# Allegro board pc053c_toplevel_34_movecvcc.brd
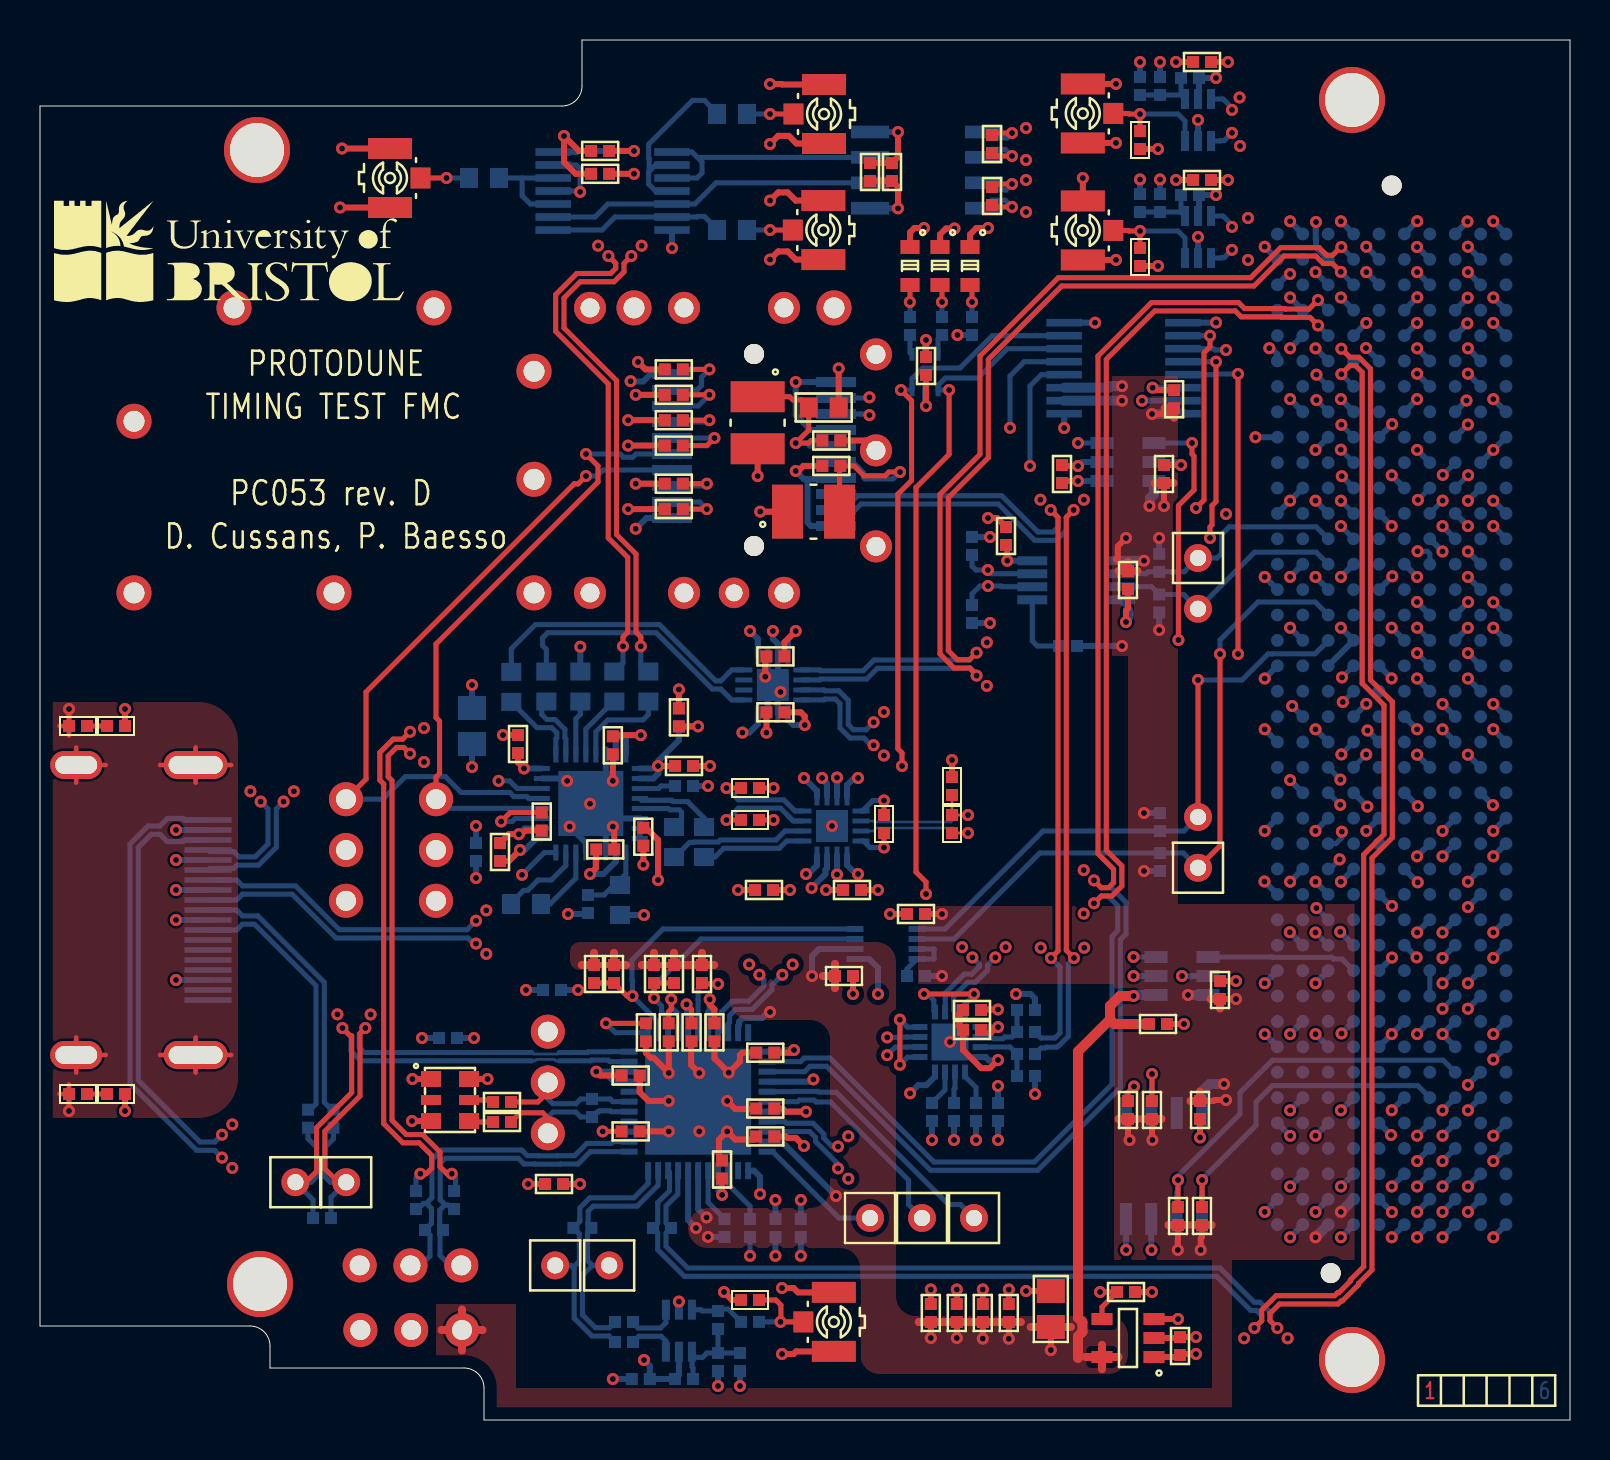
[diagram p0: board, top side]
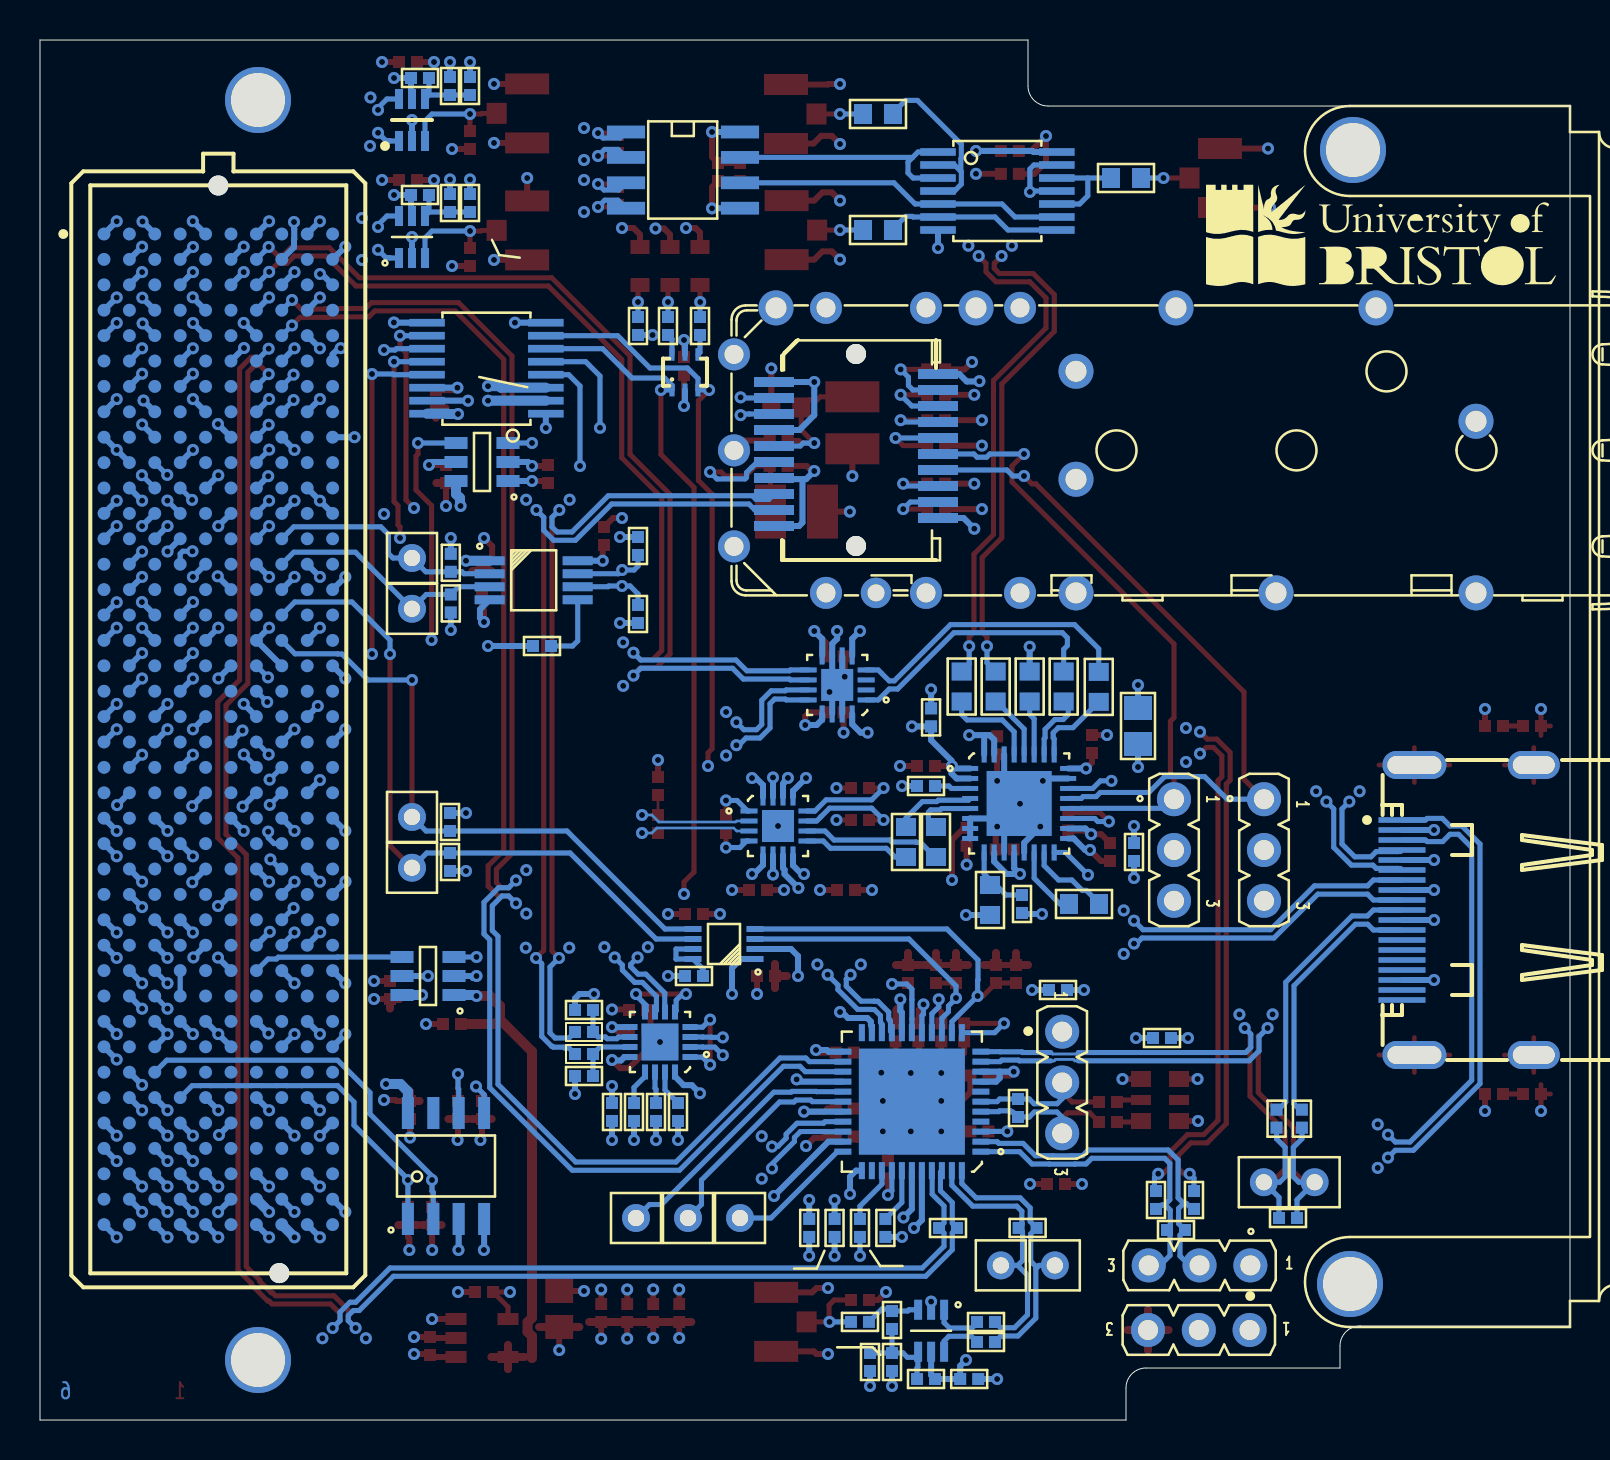
[diagram p1: board, bottom side, seen from below]

Outline 76.5 x 69 mm; copper layers: TOP, L2_GND, L3_SIGN, L4_SIGN, L5_PWR, BOTTOM. Coordinates in mm from the lower left corner of the outline.
Outline path: 0,65.7 0,4.7 10.5,4.7 arc(11.21,4.41) 11.5,3.7 11.5,2.6 21.2,2.6 arc(21.91,2.31) 22.2,1.6 22.2,0 76.5,0 76.5,69 27.1,69 27.1,66.7 arc(26.81,65.99) 26.1,65.7 0,65.7

## Design rules (mm)
constraint set DEFAULT: min track width 0.127, pair gap 0.152
net group CLK_IN0: nets CLK_IN0_N CLK_IN0_P
net group CLK_IN1: nets CLK_IN1_N CLK_IN1_P
net group CLK_IN2: nets CLK_IN2_N CLK_IN2_P
net group DP1: nets UNNAMED_11_RSMD0402_I312_A UNNAMED_11_RSMD0402_I313_A
net group DP_OSC: nets UNNAMED_4_CAPCERSMDCL2_I119_A UNNAMED_4_CAPCERSMDCL2_I120_A
net group F_CDR_CLK: nets F_CDR_CLK_N F_CDR_CLK_P
net group F_CDR_D: nets F_CDR_D_N F_CDR_D_P
net group F_FMC_CLK: nets F_FMC_CLK_N F_FMC_CLK_P
net group F_GPIO_OUT0: nets F_GPIO_OUT0_N F_GPIO_OUT0_P
net group F_GPIO_OUT1: nets F_GPIO_OUT1_N F_GPIO_OUT1_P
net group FFD_CLK: nets T_FFD_CLK_N T_FFD_CLK_P
net group FFD_DI: nets T_FFD_D_N T_FFD_D_P
net group FMC_CLK: nets T_FMC_CLK_N T_FMC_CLK_P
net group FMC_REC_CLK: nets T_FMC_REC_CLK_N T_FMC_REC_CLK_P
net group GPIO_IN0: nets GPIO_IN0_N GPIO_IN0_P
net group GPIO_IN1: nets GPIO_IN1_N GPIO_IN1_P
net group IN: nets IN_N IN_P
net group OSC_CLK: nets OSC_CLK_N OSC_CLK_P
net group PAR_CLKI: nets F_RJ45_CLK_N F_RJ45_CLK_P
net group PAR_CLKO: nets T_RJ45_CLK_N T_RJ45_CLK_P
net group PAR_DI: nets T_RJ45_D_N T_RJ45_D_P
net group PAR_DO: nets F_RJ45_D_N F_RJ45_D_P
net group REC_CLK: nets REC_CLK_N REC_CLK_P
net group SERPAR_CLKI: nets F_MCX_CLK_N F_MCX_CLK_P
net group SFP_DI: nets F_SFP_N F_SFP_P
net group SFP_DO: nets T_SFP_N T_SFP_P
net group SY5860_IN: nets SY5860_IN_N SY5860_IN_P
net group T_CDR: nets T_CDR_N T_CDR_P
net group T_FMC: nets T_FMC_N T_FMC_P
nets with their own width: min track width 0.3; nets CTRLVCC CVCC GND P1V8 P3V3 P12V

## Placement (name value [footprint] x y rotation side)
C1  100nF  [C0402]  49.3 19.4 0 bottom
C2  100nF  [C0402]  49.3 18.3 0 bottom
C3  100nF  [C0402]  20.4 19.1 180 bottom
C4  100nF  [C0402]  21.8 28.4 270 bottom
C5  100nF  [C0402]  47.9 15.4 270 bottom
C6  100nF  [C0402]  25.6 21.5 0 bottom
C7  100nF  [C0402]  46.6 20.5 0 top
C8  100nF  [C0402]  46.6 19.5 0 top
C9  100nF  [C0402]  57 3.7 270 top
C10  100nF  [C0402]  36.77 9.6 90 bottom
C11  100nF  [C0402]  54.3 6.4 180 top
C12  2.2uF  [C0805]  50.54 5.55 270 top
C13  100nF  [C0402]  48.44 5.35 270 top
C14  100nF  [C0402]  47.14 5.35 270 top
C15  100nF  [C0402]  44.3 52.7 90 top
C16  100nF  [C0402]  54.4 42 90 top
C17  100nF  [C0402]  43.8 25.3 0 top
C18  100nF  [C0402]  58 15.5 90 top
C19  100nF  [C0402]  45.84 5.35 270 top
C20  100nF  [C0402]  44.54 5.35 270 top
C21  100nF  [C0402]  23.1 14.9 0 top
C22  100nF  [C0402]  13.4 15.06 270 bottom
C23  100nF  [C0402]  29.2 4.9 180 bottom
C24  100nF  [C0402]  20.7 11 270 bottom
C25  100nF  [C0402]  23.1 15.9 0 top
C26  100nF  [C0402]  29.2 3.9 180 bottom
C27  100nF  [C0402]  18.8 11 270 bottom
C28  100nF  [C0402]  14.67 15.06 270 bottom
C29  100nF  [C0402]  30.17 29.16 270 top
C30  1.0nF  [C0402]  23 28.4 90 top
C31  100nF  [C0402]  29.53 17.22 180 top
C32  100nF  [C0402]  36.26 15.57 0 top
C33  100nF  [C0402]  28.64 33.73 90 top
C34  1.0nF  [C0402]  31.94 35.13 270 top
C35  10uF  [C0805]  21.6 34.7 270 bottom
C36  100nF  [C0402]  28.26 28.53 180 top
C37  1.0nF  [C0402]  23.9 33.8 270 top
C38  100nF  [C0402]  32.2 31.7 180 bottom
C39  470nF  [C0603]  24.3 25.8 0 bottom
C40  100nF  [C0402]  32.2 32.7 180 top
C41  1.0nF  [C0402]  31.94 35.13 270 bottom
C42  100nF  [C0402]  27.4 25.8 90 bottom
C43  1.5uF  [C0603]  31.7 28.9 90 bottom
C44  1.5uF  [C0603]  33.2 28.9 90 bottom
C45  100nF  [C0402]  36.26 14.18 0 top
C46  100nF  [C0402]  36.26 18.37 0 top
C47  100nF  [C0402]  38.04 9.6 90 bottom
C48  100nF  [C0402]  25.7 11.8 0 top
C49  100nF  [C0402]  33.72 19.38 90 top
C50  100nF  [C0402]  35.5 4.91 180 bottom
C51  100nF  [C0402]  33.9 2.9 90 bottom
C52  100nF  [C0402]  56 66.7 270 bottom
C53  100nF  [C0402]  56 60.85 270 bottom
C54  100nF  [C0402]  30.04 2.05 180 bottom
C55  100nF  [C0402]  58.1 67.9 180 top
C56  100nF  [C0402]  58.1 62 180 top
C57  100nF  [C0402]  42.6 62.4 90 top
C58  100nF  [C0402]  41.5 62.4 90 top
C59  100nF  [C0402]  28.01 63.45 0 top
C60  100nF  [C0402]  28.01 62.31 0 top
C61  100nF  [C0402]  56.7 51.04 270 top
C62  100nF  [C0402]  39.56 47.7 0 top
C63  100nF  [C0402]  39.56 48.97 180 top
C64  10uF  [C0603]  39.18 50.62 180 top
C65  100nF  [C0402]  55.9 19.8 180 top
C66  100nF  [C0402]  51.1 47.3 270 top
C67  100nF  [C0402]  59 21.5 270 top
C68  100nF  [C0402]  56.2 47.3 270 top
C69  100nF  [C0402]  36.2 26.5 0 top
C70  100nF  [C0402]  40.6 26.5 0 top
C71  100nF  [C0402]  36.77 38.18 0 top
C72  100nF  [C0402]  36.77 35.38 0 top
C73  XX  [C0402]  45.6 31.7 90 top
C74  100nF  [C0402]  1.9 16.3 0 top
C75  100nF  [C0402]  1.9 34.7 0 top
C107  100nF  [C0402]  48.3 44.2 270 top
C117  100nF  [C0402]  40.2 22.2 180 top
IC1  -  [SOP50P310X90-8N]  42.3 23.8 0 bottom
IC2  -  [SOIC127P600X175-8N]  56.2 12.7 90 bottom
IC3  -  [QFN50P300X300X100-17N-S185]  45.5 18.9 0 bottom
IC4  -  [QFN50P700X700X90-45N-S530]  32.91 15.92 0 bottom
IC5  -  [SOP65P210X110-6N]  31.94 4.46 270 bottom
IC6  -  [SOP65P210X110-6N]  57.9 65 90 bottom
IC7  -  [SOP65P210X110-6N]  57.9 59.15 90 bottom
IC8  -  [SOIC8S_127]  47.2 64.4 270 bottom
IC9  -  [TSSOP14MA_065]  31.6 63.4 270 bottom
IC10  -  [TSSOP16MA_065]  51.21 50.31 90 bottom
IC12  -  [QFN50P500X500X100-33N-S325]  27.54 30.83 180 bottom
IC13  -  [QFN50P300X300X90-17N-S160]  39.6 29.7 180 bottom
IC14  -  [SOT95P280X145-6N]  54.4 47.9 0 bottom
IC15  -  [SOP65P490X110-8N]  51.81 41.99 180 bottom
IC16  -  [SOT95P280X145-6N]  57.1 22.2 0 bottom
IC17  -  [QFN50P300X300X90-17N-S160]  36.64 36.75 0 bottom
IC18  -  [SC70_6L]  44.9 51.5 180 bottom
J2  -  [SAMTEC_MTLW-103-07-L-S-250]  25.39 16.88 270 bottom
J3  -  [SAMTEC_MTLW-103-07-L-S-250]  18.52 7.73 0 bottom
J4  -  [TYCO_1888247-1]  35.7 48.5 0 bottom
J5  -  [SAMTEC_MTLW-103-07-L-S-250]  19.8 28.5 270 bottom
J6  -  [SAMTEC_MTLW-103-07-L-S-250]  15.3 28.5 270 bottom
J7  -  [SAMTEC_HDMI-19-01-X-SM]  8.4 25.5 90 bottom
J8  -  [SAMTEC_MTLW-103-07-L-S-250]  18.56 4.5 0 bottom
L1  4.7uH  [INDC3225X220N]  35.88 49.86 270 top
L2  4.7uH  [INDC3225X220N]  38.68 45.42 0 top
LD1  Green  [LEDC1708X65N]  45 57.7 270 top
LD2  Green  [LEDC1708X65N]  43.5 57.7 270 top
LD3  Green  [LEDC1708X65N]  46.5 57.7 270 top
NOREF  -  []  133.3 -3.6 0 top
NOREF#2  -  []  -19.38 84 0 top
NOREF#3  -  []  -18.77 249.4 0 top
NOREF#4  -  []  11 63.45 90 top
NOREF#5  -  []  11.5 -2.5 0 top
NOREF#6  -  []  -17.4 -17.4 0 top
NOREF#7  -  []  0 4.7 90 top
NOREF#8  -  []  0 4.65 0 top
NOREF#9  -  []  -19.38 153 0 top
NOREF#10  -  []  -38.5 -28.4 0 top
NOREF#11  -  []  193.22 -17.27 0 top
NOREF#12  -  []  -17.4 -17.4 0 top
NOREF#13  -  []  76 185.5 0 top
NOREF#14  -  []  180.4 -21.05 0 top
NOREF#15  -  []  -14.3 168 0 top
NOREF#16  -  []  0 -3 0 top
NOREF#17  -  []  76.5 -16 0 top
NOREF#18  -  []  0 -16 0 top
NOREF#19  -  []  65.6 3 0 top
NOREF#20  -  []  26.9 66.1 0 top
NOREF#21  -  []  96.5 -16 0 top
NOREF#22  -  []  12.65 64.3 0 top
NOREF#23  -  []  79.4 51.5 0 top
NOREF#24  -  []  -14.3 237 0 top
NOREF#25  -  []  -17.4 -17.4 0 top
NOREF#26  -  []  79.5 0 90 top
NOREF#27  -  []  36.8 -3.6 0 top
NOREF#28  -  []  0 64.3 0 top
NOREF#29  -  []  -18.77 254.4 0 top
NOREF#30  -  []  -14.3 69 0 top
NOREF#31  -  [unnamed#2]  10.85 63.5 0 top
NOREF#32  -  []  -14.4 -12.4 0 top
NOREF#33  -  []  0.7 55.9 0 top
NOREF#34  -  []  -17.4 170.4 0 top
NOREF#35  -  []  173 -16 0 top
NOREF#36  -  []  14.55 96.4 0 top
NOREF#37  -  []  27.1 69 0 top
NOREF#38  -  []  -7.4 -16.15 0 top
NOREF#39  -  []  2.6 -16.15 0 top
NOREF#40  -  [unnamed#2]  65.6 3 0 top
NOREF#41  -  []  22.2 0 90 top
NOREF#42  -  [unnamed#2]  65.6 66 0 top
NOREF#43  -  []  76 135.5 0 top
NOREF#44  -  []  76 219.5 0 top
NOREF#45  -  []  0 65.7 0 top
NOREF#46  -  []  11.5 2.6 90 top
NOREF#47  -  []  266.9 -16.15 0 top
NOREF#48  -  []  11.5 2.6 0 top
NOREF#49  -  []  -14.4 165.4 0 top
NOREF#50  -  []  76 101.5 0 top
NOREF#51  -  []  -14.3 0 0 top
NOREF#52  -  []  22.2 -3 0 top
NOREF#53  -  []  11.21 4.4 0 top
NOREF#54  -  []  -2.4 48 0 top
NOREF#55  -  [unnamed#2]  11 6.8 0 top
NOREF#56  -  []  109.15 64.3 0 top
NOREF#57  -  []  76.5 0 90 top
NOREF#58  -  []  76 17.5 0 top
NOREF#59  -  []  0 0 0 top
NOREF#60  -  []  22 2.2 0 top
NOREF#61  -  []  0 65.7 0 top
NOREF#62  -  []  18.2 56.7 180 bottom
P1  -  [SAMTEC_SEAM-40-035-S-10-2-A]  67.58 34.53 90 bottom
PX1  -  [HIROSE_U-FL-R-SMT-1_10]  39.69 4.91 90 top
PX2  -  [HIROSE_U-FL-R-SMT-1_10]  52.14 65.33 270 top
PX3  -  [HIROSE_U-FL-R-SMT-1_10]  52.14 59.48 270 top
PX4  -  [HIROSE_U-FL-R-SMT-1_10]  17.5 62.1 270 top
PX5  -  [HIROSE_U-FL-R-SMT-1_10]  39.17 59.5 90 top
PX6  -  [HIROSE_U-FL-R-SMT-1_10]  39.2 65.3 90 top
QZ1  40.00MHz  [OSCSC105P250X320X180-6N]  20.5 16 0 top
R1  200k  [C0402]  43.8 22.2 0 bottom
R2  2k  [C0402]  44.6 15.4 90 bottom
R3  2k  [C0402]  46.8 15.4 270 bottom
R4  2k  [C0402]  45.7 15.4 270 bottom
R5  150  [C0402]  49.3 20.5 180 bottom
R6  150  [C0402]  49.3 17.2 180 bottom
R7  100  [C0402]  27.6 15.6 90 bottom
R8  100  [C0402]  14.1 10.1 0 bottom
R9  100  [C0402]  27.12 9.6 180 bottom
R10  1k  [C0402]  30.29 19.38 270 top
R11  100  [C0402]  19.7 9.5 0 bottom
R12  00  [C0603]  27.02 36.67 90 bottom
R13  4.7k  [C0402]  34.23 9.6 270 bottom
R14  4.7k  [C0402]  31.7 22.3 90 top
R15  4.7k  [C0402]  28.7 22.3 90 top
R16  4.7k  [C0402]  33.1 22.3 90 top
R17  1k  [C0402]  29.53 14.43 180 top
R18  100  [C0402]  31.1 9.6 0 bottom
R19  1k  [C0402]  34.1 12.53 270 top
R20  1k  [C0402]  31.44 19.38 270 top
R21  1k  [C0402]  32.58 19.38 270 top
R22  4.7k  [C0402]  31.69 52.53 0 top
R23  4.7k  [C0402]  31.69 51.26 0 top
R24  4.7k  [C0402]  31.69 49.99 180 top
R25  4.7k  [C0402]  31.69 48.72 180 top
R26  33  [C0402]  35.5 9.6 270 bottom
R27  51  [C0402]  35.5 6 0 top
R28  4.7k  [C0402]  31.69 46.81 0 top
R29  4.7k  [C0402]  31.69 45.55 0 top
R30  51  [C0402]  55 64 90 top
R31  51  [C0402]  55 58.15 90 top
R32  2k  [C0402]  32.2 2.05 180 bottom
R33  2k  [C0402]  35 2.9 90 bottom
R34  00  [C0603]  29 26 90 bottom
R35  3.0k  [C0402]  57.5 67.1 0 bottom
R36  2k  [C0402]  55 66.7 270 bottom
R37  3.0k  [C0402]  57.5 61.25 0 bottom
R38  2k  [C0402]  55 60.85 270 bottom
R39  4.7k  [C0402]  54.4 15.5 270 top
R40  4.7k  [C0402]  27.7 22.3 270 top
R41  4.7k  [C0402]  30.7 22.3 270 top
R42  4.7k  [C0402]  51.4 38.7 0 bottom
R43  4.7k  [C0402]  56 27.9 270 bottom
R44  1k  [C0402]  33.9 5 90 bottom
R45  51  [C0402]  47.6 61.2 90 top
R46  51  [C0402]  47.6 63.8 270 top
R47  33  [C0603]  22.2 62.1 180 bottom
R48  33  [C0603]  34.6 59.5 0 bottom
R49  33  [C0603]  34.6 65.3 0 bottom
R50  750  [C0402]  45.1 54.7 270 bottom
R51  750  [C0402]  43.5 54.7 270 bottom
R52  00  [C0603]  30.42 36.67 90 bottom
R53  00  [C0603]  28.72 36.67 90 bottom
R54  00  [C0603]  25.32 36.67 90 bottom
R55  00  [C0603]  23.56 36.66 90 bottom
R56  750  [C0402]  46.6 54.7 270 bottom
R57  2k  [C0402]  25.09 29.92 270 top
R58  00  [C0402]  35.5 31.6 0 top
R59  00  [C0402]  35.5 30 0 top
R60  100  [C0402]  42.2 29.8 90 top
R61  XX  [C0402]  45.6 29.8 270 top
R62  51  [C0402]  3.8 16.3 0 top
R63  51  [C0402]  3.8 34.7 0 top
R103  4.7k  [C0402]  55.6 15.5 270 top
R138  4.7k  [C0402]  56.9 10.2 270 top
R140  4.7k  [C0402]  46.6 40.3 90 bottom
R142  4.7k  [C0402]  55.96 40.83 270 bottom
R143  4.7k  [C0402]  55.96 42.86 90 bottom
R242  4.7k  [C0402]  56 29.9 90 bottom
R411  4.7k  [C0402]  46.6 43.7 270 bottom
R1328  4.7k  [C0402]  58.1 10.2 270 top
REG1  -  [SOT95P280X110-5N]  54.4 4.1 180 top
SFP1  -  [MOLEX_74737004]  35.6 48.45 0 bottom
TP1  -  [TP_HOLE_08]  57.9 30.15 0 bottom
TP2  -  [TP_HOLE_08]  57.9 40.56 0 bottom
TP3  -  [TP_HOLE_08]  57.9 27.61 0 bottom
TP4  -  [TP_HOLE_08]  57.9 43.1 0 bottom
TP5  -  [TP_HOLE_08]  12.77 11.89 270 bottom
TP6  -  [TP_HOLE_08]  15.31 11.89 270 bottom
TP7  -  [TP_HOLE_08]  28.46 7.73 0 bottom
TP8  -  [TP_HOLE_08]  25.76 7.73 0 bottom
TP9  -  [TP_HOLE_08]  41.5 10.1 0 bottom
TP10  -  [TP_HOLE_08]  46.7 10.1 0 bottom
TP11  -  [TP_HOLE_08]  44.1 10.1 0 bottom

## Library data of the parts
C1-C9 C11 C13-C20 C29 C31-C33 C36 C38 C40 C42 C45-C49 C61-C63 C69-C72 C74 C75 C107 C117 = CAPCERSMDCL2: part number: CAPCERSMDCL2_0402-100NF,16V_GEN; tolerance: 10%
C10 C21-C28 C50-C60 C65-C68 = CAPCERSMDCL2: part number: CAPCERSMDCL2_0402-100NF_X7R,16V; tolerance: 10%
C12 = CAPCERSMDCL2: part number: CAPCERSMDCL2_0805-2.2UF,10V_GEN; tolerance: +80%-20%
C30 C34 C37 C41 = CAPCERSMDCL2: part number: CAPCERSMDCL2_0402-1.0NF,50V_GEN; tolerance: 10%
C35 = CAPCERSMDCL2: part number: CAPCERSMDCL2_0805-10UF,16V; tolerance: 10%
C39 = CAPCERSMDCL2: part number: CAPCERSMDCL2_0603-470NF,6.3V; tolerance: 10%
C43 C44 = CAPCERSMDCL2: part number: CAPCERSMDCL2_0603-1.5UF,6.3V; tolerance: 10%
C64 = CAPCERSMDCL2: part number: CAPCERSMDCL2_0603-10UF_X5R,6.3V; tolerance: 5%
C73 = CAPCERSMDCL2: part number: CAPCERSMDCL2_0402-XX,
IC1 = PCA9306: part number: PCA9306DCU
IC2 = 24AA025E48: part number: 24AA025E48T-I/SN
IC3 = NBSG53A: part number: NBSG53AMNG
IC4 = SI5344: part number: SI5344B-B-GM
IC5-IC7 = ADCMP604: part number: ADCMP604BKSZ
IC8 = DS90LV028A
IC9 = 74LCX04: part number: 74LCX04MTC
IC10 = 74AVC4T245: part number: SN74AVC4T245PW
IC12 = ADN2814: part number: ADN2814ACPZ
IC13 IC17 = SY58608U: part number: SY58608UMG
IC14 IC16 = 74AVC1T45: part number: SN74AVC1T45DCKR
IC15 = PCA9517: part number: PCA9517DGKR
IC18 = SN74LVC2GU04: part number: SN74LVC2GU04DCK
J2 J3 J5 J6 J8 = CON3P: part number: CON3P-MTLW-103-07-L-S-250
J4 = CON20P_SFP: part number: CON20P_SFP-1888247-1
J7 = CON19P: part number: CON19P-HDMI-19-01-X-SM
L1 L2 = INDUCTANCE: part number: INDUCTANCE_LQH32C_23-4.7UH
LD1-LD3 = LED1: part number: LGL29K-G2J1-24
P1 = CON400P_40ABCDEFGHJK: part number: CON400P_40ABCDEFGHJK-SEAM-40-03.5-S-10-2-A-K-TR
PX1-PX6 = PCOAX: part number: PCOAX-U.FL-R-SMT-1(10)
QZ1 = DSC1123CI5: part number: DSC1123CI5-40.0000
R1 = RSMD0402: part number: RSMD0402_1/16W-200K,1%; tolerance: 1%
R2-R4 R32 R33 R36 R38 R57 = RSMD0402: part number: RSMD0402_1/16W-2K,1%; tolerance: 1%
R5 R6 = RSMD0402: part number: RSMD0402_1/16W-150,1%; tolerance: 1%
R7-R9 R11 R18 R60 = RSMD0402: part number: RSMD0402_1/16W-100,1%; tolerance: 1%
R10 R17 R19-R21 R44 = RSMD0402: part number: RSMD0402_1/16W-1K,1%; tolerance: 1%
R12 R34 R52-R55 = RSMD0603: part number: RSMD0603_-00,
R13-R16 R22-R25 R28 R29 R39-R43 R103 R138 R140 R142 R143 R242 R411 R1328 = RSMD0402: part number: RSMD0402_1/16W-4.7K,1%; tolerance: 1%
R26 = RSMD0402: part number: RSMD0402_1/16W-33,1%; tolerance: 1%
R27 R30 R31 R45 R46 R62 R63 = RSMD0402: part number: RSMD0402_1/16W-51,1%; tolerance: 1%
R35 R37 = RSMD0402: part number: RSMD0402_1/16W-3.0K,1%; tolerance: 1%
R47-R49 = RSMD0603: part number: RSMD0603_1/10W-33,1%; tolerance: 1%
R50 R51 R56 = RSMD0402: part number: RSMD0402_1/16W-750,1%; tolerance: 1%
R58 R59 = RSMD0402: part number: RSMD0402_-00,
R61 = RSMD0402: part number: RSMD0402_0.0625W-XX,1%; tolerance: 1%
REG1 = TPS799XX: part number: TPS799185DDCTG4
SFP1 = SFP_CAGE: part number: SFP_CAGE-SP-74737-004
TP1-TP11 = TP: part number: TP_HOLE-0.8MM

## Footprints (pads in the part's own frame, mm; a bottom-side part is the same pattern mirrored in y, then rotated)
C0402
  rect 0.6x0.6 smd: 1(-0.45,0) 2(0.45,0)
C0603
  rect 0.9x1 smd: 1(-0.75,0) 2(0.75,0)
C0805
  rect 1.2x1.4 smd: 1(-0.9,0) 2(0.9,0)
HIROSE_U-FL-R-SMT-1_10
  rect 1.05x1 smd: 1(0,1.525)
  rect 1.05x2.2 smd: 2(-1.475,0) 3(1.475,0)
INDC3225X220N
  rect 1.55x2.7 smd: 1(-1.3,0) 2(1.3,0)
LEDC1708X65N
  rect 0.7x0.95 smd: 1(0.95,0) 2(-0.95,0)
MOLEX_74737004
  round 1.524 hole 0.85: 1(-0.9,7.094)
  round 1.75 hole 1.05: 2(-10.9,7.094) 3(-20.9,7.094) 4(-30.9,7.094) 5(-25.9,-7.156) 6(-15.9,-7.156) 7(-5.9,-7.156) 8(4.1,-7.156) 9(-10.9,1.414) 10(-10.9,-3.986) 11(-30.9,-1.486)
  round 1.6 hole 0.95: 12(-8.1,7.094) 13(-8.1,-7.156) 14(-3.4,7.094) 15(-3.4,-7.156) 16(1.6,7.094) 17(1.6,-7.156) 18(6.2,4.769) 19(6.2,-0.031) 20(6.2,-4.831)
  round 0 smd: NC(-4.1,3.369)
OSCSC105P250X320X180-6N
  rect 1x0.8 smd: 1(-0.95,1.05) 3(-0.95,-1.05) 4(0.95,-1.05) 6(0.95,1.05)
  rect 1x0.5 smd: 2(-0.95,0) 5(0.95,0)
QFN50P300X300X90-17N-S160
  rect 0.85x0.25 smd: 1(-1.45,0.75) 2(-1.45,0.25) 3(-1.45,-0.25) 4(-1.45,-0.75) 9(1.45,-0.75) 10(1.45,-0.25) 11(1.45,0.25) 12(1.45,0.75)
  rect 0.25x0.85 smd: 5(-0.75,-1.45) 6(-0.25,-1.45) 7(0.25,-1.45) 8(0.75,-1.45) 13(0.75,1.45) 14(0.25,1.45) 15(-0.25,1.45) 16(-0.75,1.45)
  rect 1.6x1.6 smd: 17(0,0)
QFN50P300X300X100-17N-S185
  rect 0.75x0.3 smd: 1(-1.5,0.75) 2(-1.5,0.25) 3(-1.5,-0.25) 4(-1.5,-0.75) 9(1.5,-0.75) 10(1.5,-0.25) 11(1.5,0.25) 12(1.5,0.75)
  rect 0.3x0.75 smd: 5(-0.75,-1.5) 6(-0.25,-1.5) 7(0.25,-1.5) 8(0.75,-1.5) 13(0.75,1.5) 14(0.25,1.5) 15(-0.25,1.5) 16(-0.75,1.5)
  rect 1.85x1.85 smd: 17(0,0)
QFN50P500X500X100-33N-S325
  rect 0.8x0.25 smd: 1(-2.45,1.75) 2(-2.45,1.25) 3(-2.45,0.75) 4(-2.45,0.25) 5(-2.45,-0.25) 6(-2.45,-0.75) 7(-2.45,-1.25) 8(-2.45,-1.75) 17(2.45,-1.75) 18(2.45,-1.25) 19(2.45,-0.75) 20(2.45,-0.25) 21(2.45,0.25) 22(2.45,0.75) 23(2.45,1.25) 24(2.45,1.75)
  rect 0.25x0.8 smd: 9(-1.75,-2.45) 10(-1.25,-2.45) 11(-0.75,-2.45) 12(-0.25,-2.45) 13(0.25,-2.45) 14(0.75,-2.45) 15(1.25,-2.45) 16(1.75,-2.45) 25(1.75,2.45) 26(1.25,2.45) 27(0.75,2.45) 28(0.25,2.45) 29(-0.25,2.45) 30(-0.75,2.45) 31(-1.25,2.45) 32(-1.75,2.45)
  rect 3.25x3.25 smd: 33(0,0)
QFN50P700X700X90-45N-S530
  rect 0.85x0.3 smd: 1(-3.45,2.5) 2(-3.45,2) 3(-3.45,1.5) 4(-3.45,1) 5(-3.45,0.5) 6(-3.45,0) 7(-3.45,-0.5) 8(-3.45,-1) 9(-3.45,-1.5) 10(-3.45,-2) 11(-3.45,-2.5) 23(3.45,-2.5) 24(3.45,-2) 25(3.45,-1.5) 26(3.45,-1) 27(3.45,-0.5) 28(3.45,0) 29(3.45,0.5) 30(3.45,1) 31(3.45,1.5) 32(3.45,2) 33(3.45,2.5)
  rect 0.3x0.85 smd: 12(-2.5,-3.45) 13(-2,-3.45) 14(-1.5,-3.45) 15(-1,-3.45) 16(-0.5,-3.45) 17(0,-3.45) 18(0.5,-3.45) 19(1,-3.45) 20(1.5,-3.45) 21(2,-3.45) 22(2.5,-3.45) 34(2.5,3.45) 35(2,3.45) 36(1.5,3.45) 37(1,3.45) 38(0.5,3.45) 39(0,3.45) 40(-0.5,3.45) 41(-1,3.45) 42(-1.5,3.45) 43(-2,3.45) 44(-2.5,3.45)
  rect 5.3x5.3 smd: 45(0,0)
SAMTEC_HDMI-19-01-X-SM
  rect 0.28x2.35 smd: 1(4.5,0) 2(4,0) 3(3.5,0) 4(3,0) 5(2.5,0) 6(2,0) 7(1.5,0) 8(1,0) 9(0.5,0) 10(0,0) 11(-0.5,0) 12(-1,0) 13(-1.5,0) 14(-2,0) 15(-2.5,0) 16(-3,0) 17(-3.5,0) 18(-4,0) 19(-4.5,0)
  oval 1.4x3.2 hole 0.9x2.7: 20(7.25,-0.62) 21(-7.25,-0.62)
  oval 1.4x2.6 hole 0.9x2.1: 22(7.25,-6.59) 23(-7.25,-6.59)
SAMTEC_MTLW-103-07-L-S-250
  round 1.7 hole 1: 1(-2.54,0) 2(0,0) 3(2.54,0)
SAMTEC_SEAM-40-035-S-10-2-A
  round 1 hole 1.3 unplated: (-27.19,-3.05) (27.19,0)
  round 0.64 smd: A1(24.765,5.715) A2(23.495,5.715) A3(22.225,5.715) A4(20.955,5.715) A5(19.685,5.715) A6(18.415,5.715) A7(17.145,5.715) A8(15.875,5.715) A9(14.605,5.715) A10(13.335,5.715) A11(12.065,5.715) A12(10.795,5.715) A13(9.525,5.715) A14(8.255,5.715) A15(6.985,5.715) A16(5.715,5.715) A17(4.445,5.715) A18(3.175,5.715) A19(1.905,5.715) A20(0.635,5.715) A21(-0.635,5.715) A22(-1.905,5.715) A23(-3.175,5.715) A24(-4.445,5.715) A25(-5.715,5.715) A26(-6.985,5.715) A27(-8.255,5.715) A28(-9.525,5.715) A29(-10.795,5.715) A30(-12.065,5.715) A31(-13.335,5.715) A32(-14.605,5.715) A33(-15.875,5.715) A34(-17.145,5.715) A35(-18.415,5.715) A36(-19.685,5.715) A37(-20.955,5.715) A38(-22.225,5.715) A39(-23.495,5.715) A40(-24.765,5.715) B1(24.765,4.445) B2(23.495,4.445) B3(22.225,4.445) B4(20.955,4.445) B5(19.685,4.445) B6(18.415,4.445) B7(17.145,4.445) B8(15.875,4.445) B9(14.605,4.445) B10(13.335,4.445) B11(12.065,4.445) B12(10.795,4.445) B13(9.525,4.445) B14(8.255,4.445) B15(6.985,4.445) B16(5.715,4.445) B17(4.445,4.445) B18(3.175,4.445) B19(1.905,4.445) B20(0.635,4.445) B21(-0.635,4.445) B22(-1.905,4.445) B23(-3.175,4.445) B24(-4.445,4.445) B25(-5.715,4.445) B26(-6.985,4.445) B27(-8.255,4.445) B28(-9.525,4.445) B29(-10.795,4.445) B30(-12.065,4.445) B31(-13.335,4.445) B32(-14.605,4.445) B33(-15.875,4.445) B34(-17.145,4.445) B35(-18.415,4.445) B36(-19.685,4.445) B37(-20.955,4.445) B38(-22.225,4.445) B39(-23.495,4.445) B40(-24.765,4.445) C1(24.765,3.175) C2(23.495,3.175) C3(22.225,3.175) C4(20.955,3.175) C5(19.685,3.175) C6(18.415,3.175) C7(17.145,3.175) C8(15.875,3.175) C9(14.605,3.175) C10(13.335,3.175) C11(12.065,3.175) C12(10.795,3.175) C13(9.525,3.175) C14(8.255,3.175) C15(6.985,3.175) C16(5.715,3.175) C17(4.445,3.175) C18(3.175,3.175) C19(1.905,3.175) C20(0.635,3.175) C21(-0.635,3.175) C22(-1.905,3.175) C23(-3.175,3.175) C24(-4.445,3.175) C25(-5.715,3.175) C26(-6.985,3.175) C27(-8.255,3.175) C28(-9.525,3.175) C29(-10.795,3.175) C30(-12.065,3.175) C31(-13.335,3.175) C32(-14.605,3.175) C33(-15.875,3.175) C34(-17.145,3.175) C35(-18.415,3.175) C36(-19.685,3.175) C37(-20.955,3.175) C38(-22.225,3.175) C39(-23.495,3.175) C40(-24.765,3.175) D1(24.765,1.905) D2(23.495,1.905) D3(22.225,1.905) D4(20.955,1.905) D5(19.685,1.905) D6(18.415,1.905) D7(17.145,1.905) D8(15.875,1.905) D9(14.605,1.905) D10(13.335,1.905) D11(12.065,1.905) D12(10.795,1.905) D13(9.525,1.905) D14(8.255,1.905) D15(6.985,1.905) D16(5.715,1.905) D17(4.445,1.905) D18(3.175,1.905) D19(1.905,1.905) D20(0.635,1.905) D21(-0.635,1.905) D22(-1.905,1.905) D23(-3.175,1.905) D24(-4.445,1.905) D25(-5.715,1.905) D26(-6.985,1.905) D27(-8.255,1.905) D28(-9.525,1.905) D29(-10.795,1.905) D30(-12.065,1.905) D31(-13.335,1.905) D32(-14.605,1.905) D33(-15.875,1.905) D34(-17.145,1.905) D35(-18.415,1.905) D36(-19.685,1.905) D37(-20.955,1.905) D38(-22.225,1.905) D39(-23.495,1.905) D40(-24.765,1.905) E1(24.765,0.635) E2(23.495,0.635) E3(22.225,0.635) E4(20.955,0.635) E5(19.685,0.635) E6(18.415,0.635) E7(17.145,0.635) E8(15.875,0.635) E9(14.605,0.635) E10(13.335,0.635) E11(12.065,0.635) E12(10.795,0.635) E13(9.525,0.635) E14(8.255,0.635) E15(6.985,0.635) E16(5.715,0.635) E17(4.445,0.635) E18(3.175,0.635) E19(1.905,0.635) E20(0.635,0.635) E21(-0.635,0.635) E22(-1.905,0.635) E23(-3.175,0.635) E24(-4.445,0.635) E25(-5.715,0.635) E26(-6.985,0.635) E27(-8.255,0.635) E28(-9.525,0.635) E29(-10.795,0.635) E30(-12.065,0.635) E31(-13.335,0.635) E32(-14.605,0.635) E33(-15.875,0.635) E34(-17.145,0.635) E35(-18.415,0.635) E36(-19.685,0.635) E37(-20.955,0.635) E38(-22.225,0.635) E39(-23.495,0.635) E40(-24.765,0.635) F1(24.765,-0.635) F2(23.495,-0.635) F3(22.225,-0.635) F4(20.955,-0.635) F5(19.685,-0.635) F6(18.415,-0.635) F7(17.145,-0.635) F8(15.875,-0.635) F9(14.605,-0.635) F10(13.335,-0.635) F11(12.065,-0.635) F12(10.795,-0.635) F13(9.525,-0.635) F14(8.255,-0.635) F15(6.985,-0.635) F16(5.715,-0.635) F17(4.445,-0.635) F18(3.175,-0.635) F19(1.905,-0.635) F20(0.635,-0.635) F21(-0.635,-0.635) F22(-1.905,-0.635) F23(-3.175,-0.635) F24(-4.445,-0.635) F25(-5.715,-0.635) F26(-6.985,-0.635) F27(-8.255,-0.635) F28(-9.525,-0.635) F29(-10.795,-0.635) F30(-12.065,-0.635) F31(-13.335,-0.635) F32(-14.605,-0.635) F33(-15.875,-0.635) F34(-17.145,-0.635) F35(-18.415,-0.635) F36(-19.685,-0.635) F37(-20.955,-0.635) F38(-22.225,-0.635) F39(-23.495,-0.635) F40(-24.765,-0.635) G1(24.765,-1.905) G2(23.495,-1.905) G3(22.225,-1.905) G4(20.955,-1.905) G5(19.685,-1.905) G6(18.415,-1.905) G7(17.145,-1.905) G8(15.875,-1.905) G9(14.605,-1.905) G10(13.335,-1.905) G11(12.065,-1.905) G12(10.795,-1.905) G13(9.525,-1.905) G14(8.255,-1.905) G15(6.985,-1.905) G16(5.715,-1.905) G17(4.445,-1.905) G18(3.175,-1.905) G19(1.905,-1.905) G20(0.635,-1.905) G21(-0.635,-1.905) G22(-1.905,-1.905) G23(-3.175,-1.905) G24(-4.445,-1.905) G25(-5.715,-1.905) G26(-6.985,-1.905) G27(-8.255,-1.905) G28(-9.525,-1.905) G29(-10.795,-1.905) G30(-12.065,-1.905) G31(-13.335,-1.905) G32(-14.605,-1.905) G33(-15.875,-1.905) G34(-17.145,-1.905) G35(-18.415,-1.905) G36(-19.685,-1.905) G37(-20.955,-1.905) G38(-22.225,-1.905) G39(-23.495,-1.905) G40(-24.765,-1.905) H1(24.765,-3.175) H2(23.495,-3.175) H3(22.225,-3.175) H4(20.955,-3.175) H5(19.685,-3.175) H6(18.415,-3.175) H7(17.145,-3.175) H8(15.875,-3.175) H9(14.605,-3.175) H10(13.335,-3.175) H11(12.065,-3.175) H12(10.795,-3.175) H13(9.525,-3.175) H14(8.255,-3.175) H15(6.985,-3.175) H16(5.715,-3.175) H17(4.445,-3.175) H18(3.175,-3.175) H19(1.905,-3.175) H20(0.635,-3.175) H21(-0.635,-3.175) H22(-1.905,-3.175) H23(-3.175,-3.175) H24(-4.445,-3.175) H25(-5.715,-3.175) H26(-6.985,-3.175) H27(-8.255,-3.175) H28(-9.525,-3.175) H29(-10.795,-3.175) H30(-12.065,-3.175) H31(-13.335,-3.175) H32(-14.605,-3.175) H33(-15.875,-3.175) H34(-17.145,-3.175) H35(-18.415,-3.175) H36(-19.685,-3.175) H37(-20.955,-3.175) H38(-22.225,-3.175) H39(-23.495,-3.175) H40(-24.765,-3.175) J1(24.765,-4.445) J2(23.495,-4.445) J3(22.225,-4.445) J4(20.955,-4.445) J5(19.685,-4.445) J6(18.415,-4.445) J7(17.145,-4.445) J8(15.875,-4.445) J9(14.605,-4.445) J10(13.335,-4.445) J11(12.065,-4.445) J12(10.795,-4.445) J13(9.525,-4.445) J14(8.255,-4.445) J15(6.985,-4.445) J16(5.715,-4.445) J17(4.445,-4.445) J18(3.175,-4.445) J19(1.905,-4.445) J20(0.635,-4.445) J21(-0.635,-4.445) J22(-1.905,-4.445) J23(-3.175,-4.445) J24(-4.445,-4.445) J25(-5.715,-4.445) J26(-6.985,-4.445) J27(-8.255,-4.445) J28(-9.525,-4.445) J29(-10.795,-4.445) J30(-12.065,-4.445) J31(-13.335,-4.445) J32(-14.605,-4.445) J33(-15.875,-4.445) J34(-17.145,-4.445) J35(-18.415,-4.445) J36(-19.685,-4.445) J37(-20.955,-4.445) J38(-22.225,-4.445) J39(-23.495,-4.445) J40(-24.765,-4.445) K1(24.765,-5.715) K2(23.495,-5.715) K3(22.225,-5.715) K4(20.955,-5.715) K5(19.685,-5.715) K6(18.415,-5.715) K7(17.145,-5.715) K8(15.875,-5.715) K9(14.605,-5.715) K10(13.335,-5.715) K11(12.065,-5.715) K12(10.795,-5.715) K13(9.525,-5.715) K14(8.255,-5.715) K15(6.985,-5.715) K16(5.715,-5.715) K17(4.445,-5.715) K18(3.175,-5.715) K19(1.905,-5.715) K20(0.635,-5.715) K21(-0.635,-5.715) K22(-1.905,-5.715) K23(-3.175,-5.715) K24(-4.445,-5.715) K25(-5.715,-5.715) K26(-6.985,-5.715) K27(-8.255,-5.715) K28(-9.525,-5.715) K29(-10.795,-5.715) K30(-12.065,-5.715) K31(-13.335,-5.715) K32(-14.605,-5.715) K33(-15.875,-5.715) K34(-17.145,-5.715) K35(-18.415,-5.715) K36(-19.685,-5.715) K37(-20.955,-5.715) K38(-22.225,-5.715) K39(-23.495,-5.715) K40(-24.765,-5.715)